# KiCad board AMC_FMC_Carrier-PcbDoc.kicad_pcb (continued)
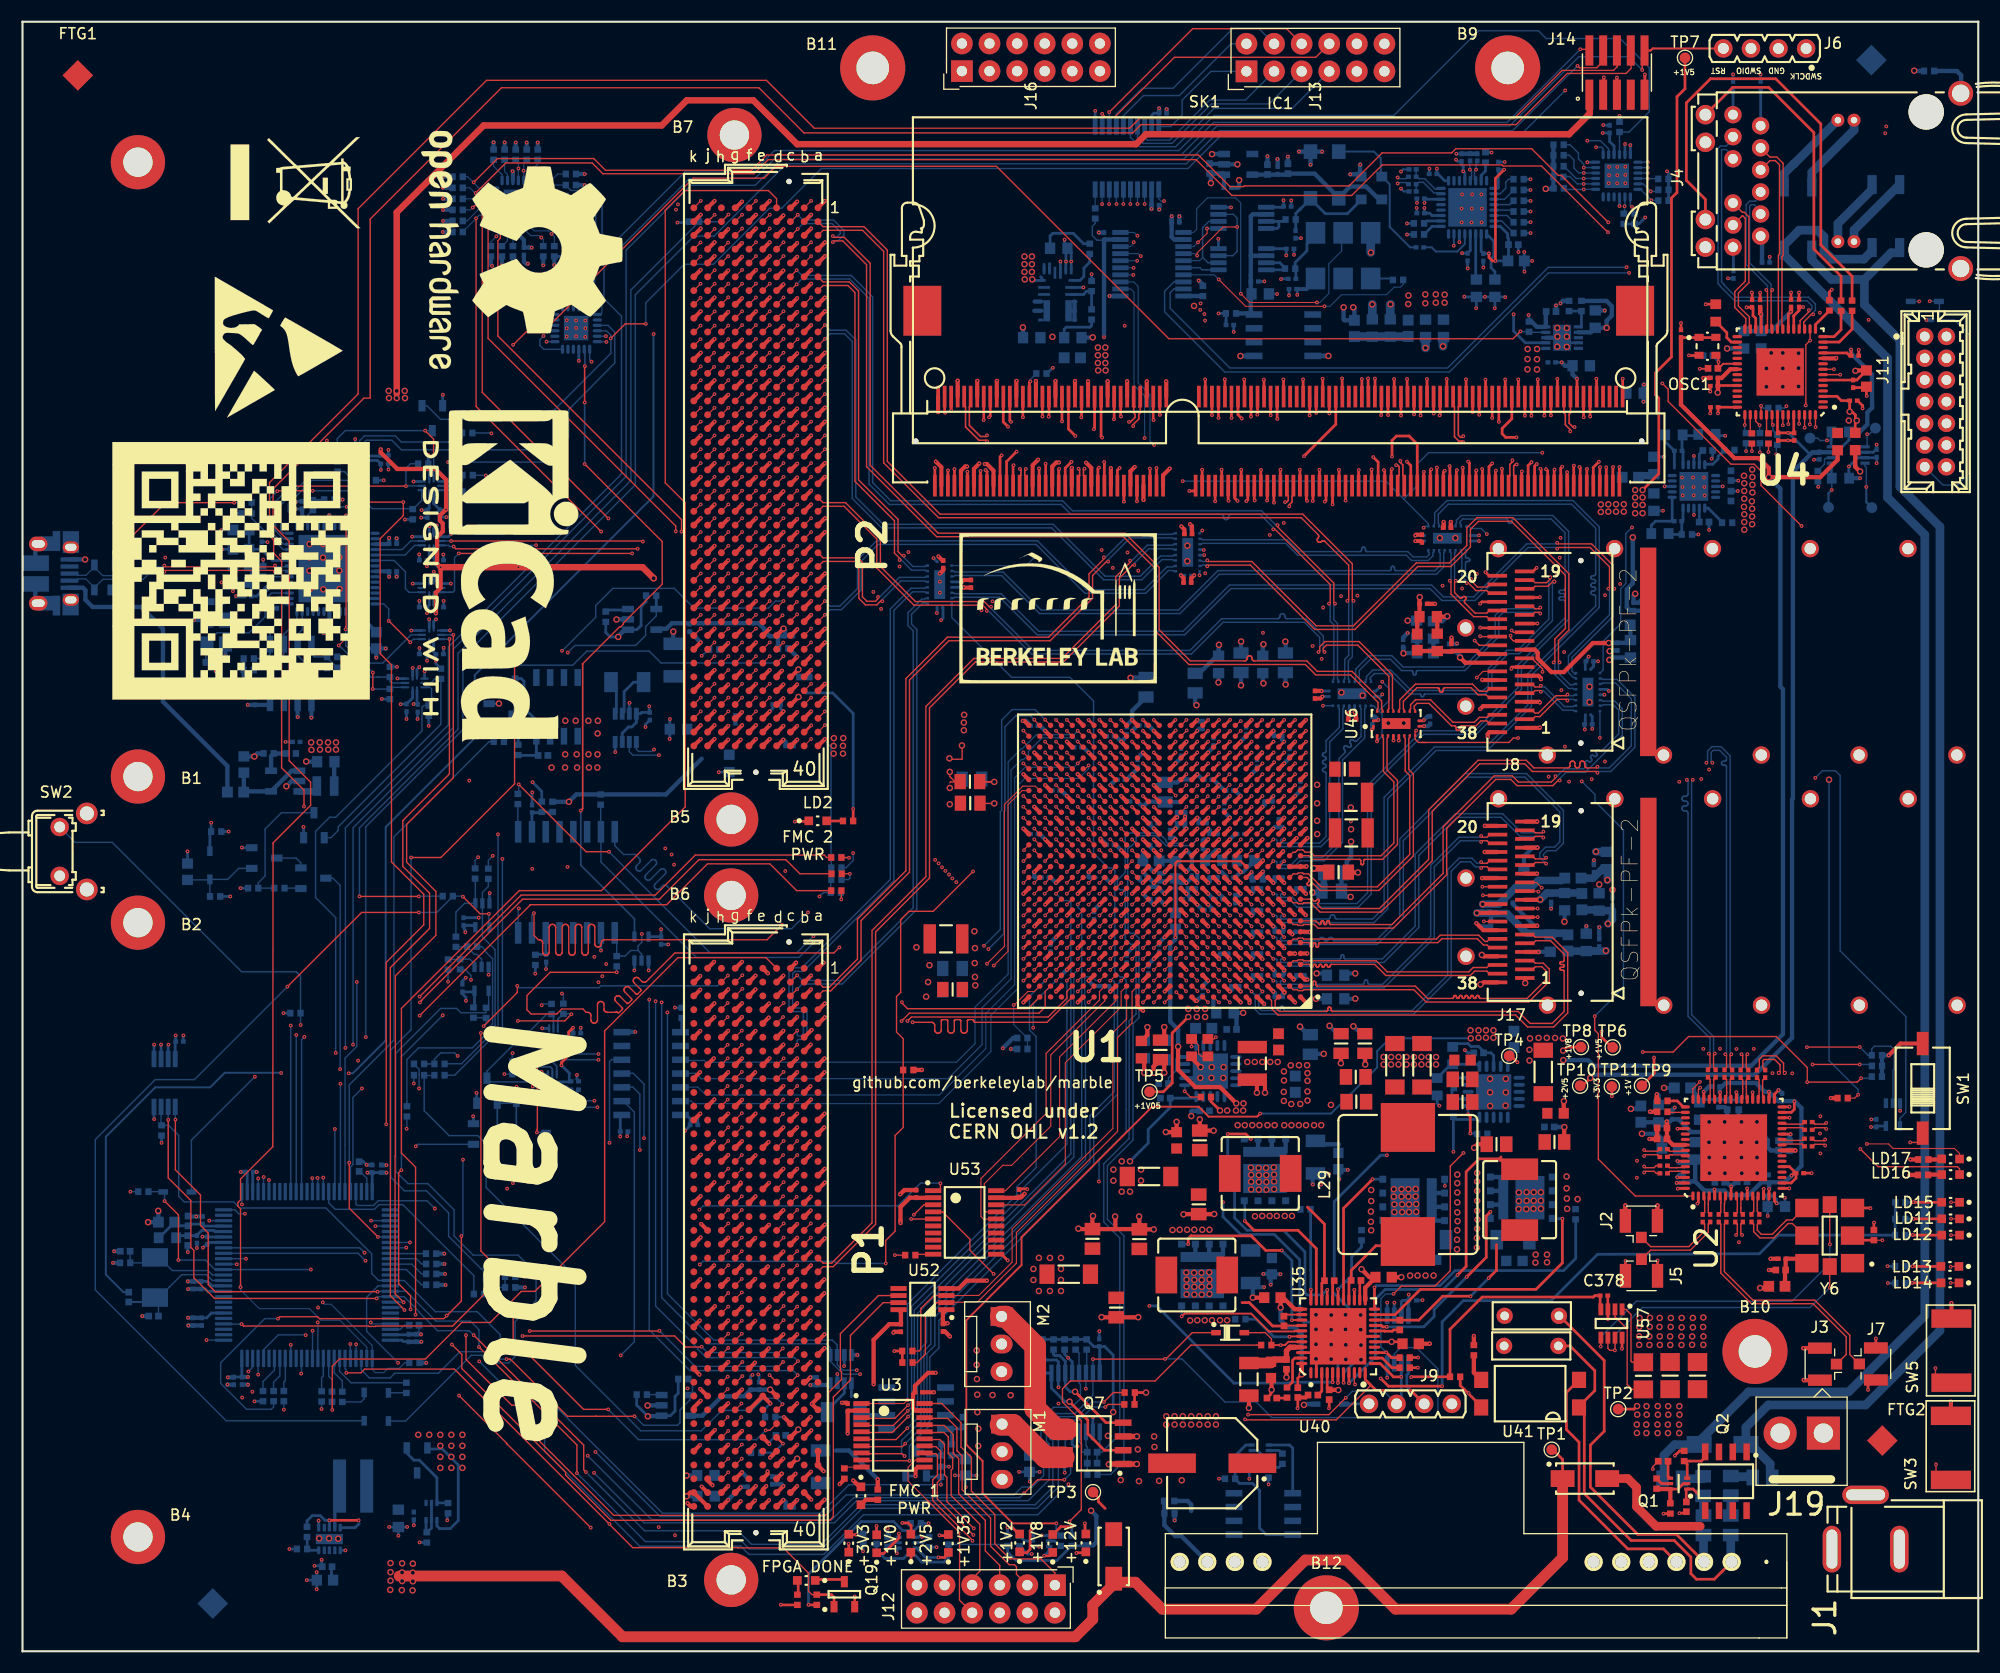
[diagram p0: board, top side]
## Routing (per net, layer and track width the routed paths; a pad name or vN(x,y) marks a point on that pad's centre or on a via; arc(x,y) is an arc through that point) (continued)
/FPGA/DDR3_DQS7_N: length 57.2
  Top w0.15: v1(142.45,112.3) 142.45,112.44 141.99,112.9 141.99,113.87 141.87,113.99 SK1.186
  Top w0.2: U1.W5 v1(114.12,78.73)
  In9.Cu w0.1: v1(142.45,112.3) 142.45,112.48 142.01,112.93 141.4,112.93 140.95,112.48 140.92,112.45 140.91,112.41 140.9,112.38 140.9,112.34 140.91,112.3 140.92,112.26 140.95,112.23 140.96,112.22 140.99,112.19 141,112.15 141.01,112.12 141.01,112.08 141,112.04 140.99,112 140.96,111.97 140.93,111.95 140.89,111.93 140.86,111.92 140.82,111.92 140.78,111.93 140.74,111.95 140.71,111.97 140.7,111.98 140.67,112.01 140.64,112.03 140.6,112.03 140.56,112.03 140.52,112.03 140.48,112.01 140.45,111.98 138.69,110.22 129.38,110.22 128.27,109.11 128.27,107.88 117.78,97.39 117.78,91.94 114.95,89.11 114.95,88.77 113.76,87.57 113.76,82.57 113.76,82.56 113.76,79.09 v1(114.12,78.73)
/FPGA/DDR3_DQS7_P: length 57.2
  Top w0.15: SK1.188 142.47,113.99 142.34,113.87 142.34,113.04 142.7,112.69 v1(142.84,112.69)
  Top w0.2: U1.W6 v1(113.12,78.73)
  In9.Cu w0.1: v1(142.84,112.69) 142.66,112.69 142.13,113.22 141.28,113.22 138.57,110.51 129.26,110.51 127.98,109.23 127.98,108 117.49,97.51 117.49,92.06 114.66,89.23 114.66,88.89 113.47,87.69 113.47,82.45 113.47,82.44 113.47,79.09 v1(113.12,78.73)
/FPGA/DDR3_ODT: length 38.9
  Top w0.254: U1.AB9 v1(110.12,81.73) ; v1(117.94,110.01) 120.87,112.94 SK1.116
  In2.Cu w0.135: v1(110.12,81.73) 110.46,82.07 110.46,88.33 111.02,88.89 111.02,95.34 117.78,102.1 117.78,105.96 117.94,106.13 v1(117.94,110.01)
/FPGA/DDR3_RAS_N: length 38.9
  Top w0.254: 111.64,81.24 v1(112.14,81.74) ; v1(119.07,114) 119.07,114 SK1.110
  In2.Cu w0.135: v1(119.07,114) 119.71,113.36 119.71,111.59 119.7,111.53 119.68,111.48 119.65,111.43 119.61,111.39 119.57,111.36 119.51,111.34 119.4,111.33 119.35,111.31 119.3,111.28 119.26,111.24 119.23,111.19 119.21,111.14 119.21,111.09 119.21,110.99 119.21,110.93 119.23,110.88 119.26,110.83 119.3,110.79 119.35,110.76 119.4,110.74 119.51,110.73 119.57,110.71 119.61,110.68 119.65,110.64 119.68,110.59 119.7,110.54 119.71,110.49 119.71,108.92 119.71,108.92 119.71,108.59 119.51,108.39 119.51,102.17 112.85,95.51 112.85,88.8 111.54,87.49 111.54,82.34 v1(112.14,81.74)
/FPGA/DDR3_RST_N: length 48.5
  Top w0.11: U1.Y12 v1(107.12,79.73)
  Top w0.254: v1(92.76,116.89) 92.67,116.8 SK1.30
  In9.Cu w0.135: v1(92.76,116.89) 95.01,114.65 97.88,114.65 100.59,111.93 100.59,105.07 105.33,100.33 105.33,80.56 105.93,79.96 106.64,79.96 106.87,79.73 v1(107.12,79.73)
  Bottom w0.135: v1(92.76,116.89) 92.76,117.06 93.28,117.58 93.28,117.66
/FPGA/DDR3_WE_N: length 39.1
  Top w0.254: v1(119.86,105.83) 119.97,105.94 SK1.113 ; U1.AF9 v1(110.12,85.73)
  In4.Cu w0.135: v1(119.86,105.83) 119.86,107.96 120.72,108.83 120.72,110.7 121.07,111.04 121.83,111.04 122.09,110.77 122.09,107.41 121.13,106.44 121.13,105.25 113.15,97.27 113.15,90.62 110.12,87.58 v1(110.12,85.73)
/FPGA/DXN_0: length 70.3
  Top w0.102: U1.R11 v1(108.12,74.73)
  Bottom w0.127: v1(108.12,74.73) 107.55,74.16 105.24,74.16 104.32,75.09 102.67,75.09 102.49,74.91 102.49,74.55 102.03,74.1 101.94,74.1 101.71,73.87 101.71,67.95 101.75,67.91 101.75,66.59 101.75,66.64 101.75,66.29 101.94,66.1 102.3,66.1 102.75,65.64 102.75,60.91 102.75,60.91 102.75,58.32 102.21,57.77 102.21,47.06 99.84,44.69 99.84,39.77 101.37,38.24 101.37,17.49 100.15,16.27 R129.1
/FPGA/DXP_0: length 71.4
  Top w0.102: U1.R12 v1(107.12,74.73)
  Bottom w0.127: C188.1 99.15,18.58 U27.9 ; C188.1 C189.1 ; C188.1 99.33,18.33 100.99,19.98 100.99,38.04 99.51,39.51 99.51,44.87 101.85,47.21 101.85,58.03 102.49,58.66 102.49,64.03 102.48,64.04 102.48,64.88 102.27,65.09 101.98,65.09 101.49,65.58 101.49,69.91 101.3,70.1 101.01,70.1 100.76,70.34 100.76,70.96 101.49,71.68 101.49,74.93 101.88,75.33 104.05,75.33 104.06,75.32 104.59,75.32 104.92,74.99 ; v1(107.12,74.73) 106.78,74.39 105.38,74.39 105.25,74.52 105.25,74.66 104.92,74.99 ; 104.92,74.99 104.67,75.23
/FPGA/EXP_INT: length 235.8
  Top w0.127: 83.81,41.09 82.94,41.09 v1(82.03,40.18)
  In7.Cu w0.127: v1(82.03,40.18) 81.86,40.35 78.87,40.35 77.11,38.6 61.96,38.6 61.64,38.92 61.64,115.69 v1(51.97,125.36)
  Bottom w0.127: 51.93,125.43 52.11,125.43 52.65,125.97 52.65,127.85 60.96,136.16 67.23,136.16 69.21,138.14 106.42,138.14 109.65,141.37 126.21,141.37 134.01,149.16 139.52,149.16 140.23,148.45 147.04,148.45 149.72,145.77 149.72,141.71 147.86,139.85 R199.2 146.98,139.84 U34.22 ; 51.93,125.43 51.93,125.3 51.2,124.57 U39.22 ; 51.93,125.43 51.93,125.4 v1(51.97,125.36)
/FPGA/FPGA_12_13/FPGA_MISO_T: length 63.1
  Top w0.102: U1.AC21 v1(97.12,81.73)
  Bottom w0.102: 60.67,51.93 62.15,51.93 62.87,51.21 84.39,51.21 88.66,55.48 88.66,58.7 91.31,61.36 91.31,80.41 92.28,81.38 96.77,81.38 v1(97.12,81.73)
/FPGA/FPGA_12_13/FPGA_MOSI_T: length 64.1
  Top w0.102: U1.AB21 97.81,81.23 v1(98.12,81.54)
  Bottom w0.102: 60.67,50.66 61.55,50.66 61.8,50.41 84.33,50.41 89.13,55.21 89.13,58.54 91.61,61.03 91.61,79.72 92.24,80.34 97.22,80.34 98.12,81.24 v1(98.12,81.54)
/FPGA/FPGA_12_13/FPGA_SCK_T: length 63.3
  Top w0.11: U1.AE21 97.12,84.73 v1(97.12,84.73)
  Bottom w0.11: 61.47,54.38 62.76,54.38 62.92,54.22 85.95,54.22 87.67,55.93 87.67,59.29 90.71,62.33 90.71,81.86 91.94,83.09 92.03,83.09 93.31,84.37 96.76,84.37 v1(97.12,84.73)
  Bottom w0.127: 61.47,54.38 60.76,54.38 60.67,54.47
/FPGA/FPGA_12_13/FPGA_SSEL_T: length 64
  Top w0.11: v1(97.12,83.73) 97.12,83.73 U1.AD21
  Bottom w0.11: 91.28,81.42 90.98,81.12 90.98,61.9 88.31,59.23 88.31,55.85 85.18,52.71 62.46,52.71 61.96,53.2 60.67,53.2 ; 91.28,81.42 91.94,82.08 92.12,82.08 92.58,82.54 92.58,82.82 93.85,84.09 95.29,84.09 95.3,84.08 96.77,84.08 v1(97.12,83.73) ; 91.28,81.42 91.23,81.38
/FPGA/FPGA_14_15/CFG_D02: length 78.4
  Top w0.127: v1(54.68,62.5) 48.56,62.5 46.43,60.37 46.43,59.05 46.81,58.66 49.17,58.66 49.63,59.12 51.58,59.12 51.86,58.82 52.02,58.82 52.08,58.81 52.15,58.79 52.2,58.75 52.25,58.7 52.29,58.65 52.31,58.58 52.32,58.52 52.32,58.12 52.32,58.05 52.35,57.99 52.38,57.93 52.43,57.88 52.49,57.85 52.55,57.82 52.62,57.82 52.68,57.82 52.75,57.85 52.8,57.88 52.85,57.93 52.89,57.99 52.91,58.05 52.92,58.12 52.92,59.52 52.92,59.58 52.95,59.65 52.98,59.7 53.03,59.75 53.09,59.79 53.15,59.81 53.22,59.82 53.28,59.81 53.35,59.79 53.4,59.75 53.45,59.7 53.49,59.65 53.51,59.58 53.52,59.52 53.52,59.12 53.52,59.05 53.55,58.99 53.58,58.93 53.63,58.88 53.69,58.85 53.75,58.82 53.82,58.82 54.58,58.82 54.6,58.83 54.63,58.85 54.66,58.85 54.68,58.85 54.71,58.85 54.74,58.83 54.78,58.8 54.81,58.79 54.83,58.78 54.86,58.78 54.89,58.79 54.91,58.8 54.94,58.82 55.18,59.06 55.2,59.09 55.21,59.11 55.22,59.14 55.22,59.17 55.21,59.19 55.2,59.22 55.18,59.24 54.6,59.82 54.56,59.88 54.53,59.94 54.51,60 54.51,60.07 54.53,60.14 54.56,60.2 54.6,60.25 54.65,60.29 54.71,60.32 54.78,60.33 54.85,60.33 54.91,60.32 54.97,60.29 55.02,60.25 55.61,59.67 55.63,59.65 55.65,59.64 55.68,59.63 55.71,59.63 55.74,59.64 55.76,59.65 55.78,59.67 56.03,59.91 56.05,59.93 56.06,59.96 56.07,59.99 56.07,60.02 56.06,60.04 56.05,60.07 56.03,60.09 55.45,60.67 55.41,60.73 55.38,60.79 55.36,60.85 55.36,60.92 55.38,60.98 55.41,61.04 55.45,61.1 55.5,61.14 55.56,61.17 55.63,61.18 55.69,61.18 55.76,61.17 55.82,61.14 55.87,61.1 56.46,60.51 56.48,60.5 56.5,60.48 56.53,60.48 56.56,60.48 56.59,60.48 56.61,60.5 56.63,60.51 56.88,60.76 56.9,60.78 56.91,60.81 56.92,60.84 56.92,60.86 56.91,60.89 56.9,60.92 56.88,60.94 56.3,61.52 56.25,61.57 56.23,61.63 56.21,61.7 56.21,61.77 56.23,61.83 56.25,61.89 56.3,61.95 56.35,61.99 56.41,62.02 56.48,62.03 56.54,62.03 56.61,62.02 56.67,61.99 56.72,61.95 57,61.66 57.06,61.62 57.12,61.59 57.18,61.58 57.25,61.58 57.31,61.59 57.38,61.62 57.43,61.66 60.04,64.28 74.67,64.28 v1(75.18,64.79) ; U1.B22 96.12,60.73 96.12,60.12 94.39,58.39 81.82,58.39 v1(81.44,58.01)
  In9.Cu w0.127: v1(81.44,58.01) 81.44,58.53 v1(75.18,64.79)
  Bottom w0.127: R209.1 v1(54.68,62.5)
/FPGA/FPGA_14_15/CFG_D03: length 80
  Top w0.127: v1(53.97,73.6) 51.86,73.6 v1(45.67,79.8) ; U1.A22 94.29,57.9 87.68,57.9 87.65,57.9 87.63,57.91 87.6,57.92 87.59,57.94 87.57,57.97 87.56,57.99 87.55,58.05 87.55,58.07 87.53,58.1 87.51,58.12 87.49,58.13 87.46,58.14 87.43,58.14 87.08,58.14 87.05,58.14 87.03,58.13 87,58.12 86.99,58.1 86.97,58.07 86.96,58.05 86.96,58.02 86.96,57.2 86.95,57.13 86.93,57.07 86.89,57.01 86.84,56.96 86.79,56.93 86.72,56.9 86.66,56.9 86.59,56.9 86.53,56.93 86.47,56.96 86.42,57.01 86.39,57.07 86.37,57.13 86.36,57.2 86.36,58.02 86.35,58.05 86.35,58.07 86.33,58.1 86.31,58.12 86.29,58.13 86.26,58.14 86.23,58.14 85.88,58.14 85.85,58.14 85.83,58.13 85.8,58.12 85.79,58.1 85.77,58.07 85.76,58.05 85.76,58.02 85.76,57.2 85.75,57.13 85.73,57.07 85.69,57.01 85.64,56.96 85.59,56.93 85.52,56.9 85.46,56.9 85.39,56.9 85.33,56.93 85.27,56.96 85.22,57.01 85.19,57.07 85.17,57.13 85.16,57.2 85.16,58.02 85.15,58.05 85.15,58.07 85.13,58.1 85.11,58.12 85.09,58.13 85.06,58.14 85.03,58.14 84.68,58.14 84.65,58.14 84.63,58.13 84.6,58.12 84.59,58.1 84.57,58.07 84.56,58.05 84.56,58.02 84.56,57.2 84.55,57.13 84.53,57.07 84.49,57.01 84.44,56.96 84.39,56.93 84.32,56.9 84.26,56.9 84.19,56.9 84.13,56.93 84.07,56.96 84.02,57.01 83.99,57.07 83.97,57.13 83.96,57.2 83.96,57.6 83.95,57.66 83.93,57.73 83.89,57.78 83.84,57.83 83.79,57.87 83.72,57.89 83.66,57.9 v1(81.92,57.9)
  In9.Cu w0.127: v1(72.79,65.83) 73.48,65.17 73.48,64.58 72.74,63.85 70.48,63.85 68.98,62.35 68.98,60.57 69.26,60.29 75.74,60.29 78.36,57.67 80.21,57.67 80.28,57.6 81.63,57.6 v1(81.92,57.9)
  Bottom w0.127: R210.1 45.67,79 v1(45.67,79.8) ; v1(72.79,65.83) 71.24,64.28 63.29,64.28 v1(53.97,73.6)
/FPGA/FPGA_14_15/CFG_DIN: length 80
  Top w0.127: U1.A25 92.54,59.15 81.45,59.15 80.94,59.67 v1(80.94,59.75)
  In9.Cu w0.127: v1(72.29,68.01) 74.5,68.01 74.67,67.83 74.72,67.78 74.74,67.72 74.76,67.66 74.76,67.59 74.74,67.52 74.72,67.46 74.67,67.41 74.38,67.11 74.33,67.06 74.31,67 74.29,66.93 74.29,66.87 74.31,66.8 74.33,66.74 74.38,66.69 74.43,66.65 74.49,66.62 74.56,66.6 74.62,66.6 74.69,66.62 74.75,66.65 74.8,66.69 75.82,67.71 75.87,67.75 75.93,67.78 76,67.79 76.06,67.79 76.13,67.78 76.19,67.75 76.24,67.71 76.28,67.65 76.31,67.59 76.33,67.53 76.33,67.46 76.31,67.4 76.28,67.33 76.24,67.28 75.23,66.26 75.18,66.21 75.15,66.15 75.14,66.09 75.14,66.02 75.15,65.95 75.18,65.89 75.23,65.84 75.28,65.8 75.34,65.77 75.4,65.75 75.47,65.75 75.54,65.77 75.6,65.8 75.65,65.84 76.67,66.86 76.72,66.9 76.78,66.93 76.85,66.94 76.91,66.94 76.98,66.93 77.04,66.9 77.09,66.86 77.13,66.81 77.16,66.74 77.18,66.68 77.18,66.61 77.16,66.55 77.13,66.49 77.09,66.43 76.07,65.42 76.03,65.36 76,65.3 75.99,65.24 75.99,65.17 76,65.1 76.03,65.04 76.07,64.99 76.13,64.95 76.19,64.92 76.25,64.91 76.32,64.91 76.38,64.92 76.45,64.95 76.5,64.99 77.52,66.01 77.57,66.05 77.63,66.08 77.69,66.1 77.76,66.1 77.83,66.08 77.89,66.05 77.94,66.01 77.98,65.96 78.01,65.9 78.03,65.83 78.03,65.76 78.01,65.7 77.98,65.64 77.94,65.58 76.92,64.57 76.88,64.51 76.85,64.45 76.84,64.39 76.84,64.32 76.85,64.26 76.88,64.2 76.92,64.14 76.97,64.1 77.04,64.07 77.1,64.06 77.17,64.06 77.23,64.07 77.29,64.1 77.35,64.14 78.36,65.16 78.42,65.2 78.48,65.23 78.54,65.25 78.61,65.25 78.68,65.23 78.74,65.2 78.79,65.16 78.83,65.11 78.86,65.05 78.87,64.98 78.87,64.92 78.86,64.85 78.83,64.79 78.79,64.74 77.77,63.72 77.73,63.67 77.7,63.61 77.68,63.54 77.68,63.47 77.7,63.41 77.73,63.35 77.77,63.29 77.82,63.25 77.88,63.22 77.95,63.21 78.02,63.21 78.08,63.22 78.14,63.25 78.19,63.29 79.21,64.31 79.27,64.35 79.33,64.38 79.39,64.4 79.46,64.4 79.52,64.38 79.58,64.35 79.64,64.31 79.68,64.26 79.71,64.2 79.72,64.13 79.72,64.07 79.71,64 79.68,63.94 79.64,63.89 78.62,62.87 78.58,62.82 78.55,62.76 78.53,62.69 78.53,62.62 78.55,62.56 78.58,62.5 78.62,62.45 78.67,62.4 78.73,62.37 78.8,62.36 78.86,62.36 78.93,62.37 78.99,62.4 79.04,62.45 80.06,63.46 80.11,63.51 80.17,63.53 80.24,63.55 80.31,63.55 80.37,63.53 80.43,63.51 80.49,63.46 80.53,63.41 80.56,63.35 80.57,63.29 80.57,63.22 80.56,63.15 80.53,63.09 80.49,63.04 79.47,62.02 79.43,61.97 79.4,61.91 79.38,61.84 79.38,61.78 79.4,61.71 79.43,61.65 79.47,61.6 79.52,61.56 79.58,61.53 79.65,61.51 79.71,61.51 79.78,61.53 79.84,61.56 79.89,61.6 80.19,61.89 80.24,61.94 80.3,61.97 80.37,61.98 80.43,61.98 80.5,61.97 80.56,61.94 80.61,61.89 80.94,61.57 v1(80.94,59.75)
  Bottom w0.127: v1(72.29,68.01) 70.79,66.51 63.24,66.51 59.31,70.44 59.26,70.49 59.2,70.52 59.13,70.53 59.07,70.53 59,70.52 58.94,70.49 58.89,70.44 58.66,70.21 58.6,70.17 58.54,70.14 58.48,70.13 58.41,70.13 58.35,70.14 58.28,70.17 58.23,70.21 58.19,70.27 58.16,70.33 58.15,70.39 58.15,70.46 58.16,70.52 58.19,70.58 58.23,70.64 59.12,71.52 59.16,71.58 59.19,71.64 59.2,71.7 59.2,71.77 59.19,71.84 59.16,71.9 59.12,71.95 59.07,71.99 59.01,72.02 58.94,72.03 58.87,72.03 58.81,72.02 58.75,71.99 58.69,71.95 57.81,71.06 57.76,71.02 57.69,70.99 57.63,70.98 57.56,70.98 57.5,70.99 57.44,71.02 57.38,71.06 57.34,71.11 57.31,71.17 57.3,71.24 57.3,71.31 57.31,71.37 57.34,71.43 57.38,71.49 58.27,72.37 58.31,72.43 58.34,72.49 58.36,72.55 58.36,72.62 58.34,72.68 58.31,72.74 58.27,72.8 58.22,72.84 58.16,72.87 58.09,72.88 58.02,72.88 57.96,72.87 57.9,72.84 57.85,72.8 56.96,71.91 56.91,71.87 56.85,71.84 56.78,71.82 56.71,71.82 56.65,71.84 56.59,71.87 56.53,71.91 56.49,71.96 56.46,72.02 56.45,72.09 56.45,72.16 56.46,72.22 56.49,72.28 56.53,72.33 56.77,72.57 56.81,72.62 56.84,72.68 56.85,72.74 56.85,72.81 56.84,72.88 56.81,72.94 56.77,72.99 56.41,73.35 55.32,73.35 54.51,74.16 U30.8
/FPGA/FPGA_14_15/CFG_FCS: length 82.4
  Top w0.102: U1.C23 v1(95.12,61.73)
  In9.Cu w0.127: v1(72.79,65.19) 71.98,64.38 68.93,64.38 68.45,64.86 63.42,64.86 62.02,63.47 62.02,60.09 63.27,58.84 75.89,58.84 77.51,57.22 92.84,57.22 v1(93.02,57.4)
  Bottom w0.127: R223.2 53.21,75.46 U30.7 53.24,72.66 62.02,63.87 71.47,63.87 v1(72.79,65.19) ; v1(93.02,57.4) 93.02,59.63 v1(95.12,61.73)
/FPGA/FPGA_14_15/CFG_MOSI: length 80
  Top w0.102: U1.B24 94.12,60.73
  Top w0.127: v1(47.07,67.94) 47.07,65.89 47.47,65.5 47.57,65.5 47.64,65.49 47.7,65.47 47.76,65.43 47.81,65.38 47.84,65.33 47.86,65.26 47.87,65.2 47.87,64.37 47.88,64.31 47.9,64.24 47.94,64.19 47.98,64.14 48.04,64.1 48.1,64.08 48.17,64.07 48.24,64.08 48.3,64.1 48.36,64.14 48.41,64.19 48.44,64.24 48.46,64.31 48.47,64.37 48.47,66.62 48.48,66.69 48.5,66.75 48.54,66.81 48.58,66.85 48.64,66.89 48.7,66.91 48.77,66.92 48.84,66.91 48.9,66.89 48.96,66.85 49.01,66.81 49.04,66.75 49.06,66.69 49.07,66.62 49.07,64.37 49.08,64.31 49.1,64.24 49.14,64.19 49.18,64.14 49.24,64.1 49.3,64.08 49.37,64.07 49.44,64.08 49.5,64.1 49.56,64.14 49.61,64.19 49.64,64.24 49.66,64.31 49.67,64.37 49.67,66.62 49.68,66.69 49.7,66.75 49.74,66.81 49.78,66.85 49.84,66.89 49.9,66.91 49.97,66.92 50.04,66.91 50.1,66.89 50.16,66.85 50.21,66.81 50.24,66.75 50.26,66.69 50.27,66.62 50.27,64.37 50.28,64.31 50.3,64.24 50.34,64.19 50.38,64.14 50.44,64.1 50.5,64.08 50.57,64.07 50.64,64.08 50.7,64.1 50.76,64.14 50.81,64.19 50.84,64.24 50.86,64.31 50.87,64.37 50.87,66.62 50.88,66.69 50.9,66.75 50.94,66.81 50.98,66.85 51.04,66.89 51.1,66.91 51.17,66.92 51.24,66.91 51.3,66.89 51.36,66.85 51.41,66.81 51.44,66.75 51.46,66.69 51.47,66.62 51.47,64.37 51.48,64.31 51.5,64.24 51.54,64.19 51.58,64.14 51.64,64.1 51.7,64.08 51.77,64.07 51.84,64.08 51.9,64.1 51.96,64.14 52.01,64.19 52.04,64.24 52.06,64.31 52.07,64.37 52.07,66.62 52.08,66.69 52.1,66.75 52.14,66.81 52.18,66.85 52.24,66.89 52.3,66.91 52.37,66.92 52.44,66.91 52.5,66.89 52.56,66.85 52.61,66.81 52.64,66.75 52.66,66.69 52.67,66.62 52.67,65.12 52.68,65.06 52.7,64.99 52.74,64.94 52.78,64.89 52.84,64.85 52.9,64.83 52.97,64.82 53.04,64.83 53.1,64.85 53.16,64.89 53.21,64.94 53.24,64.99 53.26,65.06 53.27,65.12 53.27,65.2 53.28,65.26 53.3,65.33 53.34,65.38 53.38,65.43 53.44,65.47 53.5,65.49 53.57,65.5 68.53,65.5 v1(69.9,66.87) ; v1(80.9,58.01) 81.63,58.74 93.55,58.74 94.12,59.31 94.12,60.73
  In9.Cu w0.127: v1(69.9,66.87) 72.61,66.87 74.56,64.91 74.56,64.17 79.72,59.01 79.9,59.01 v1(80.9,58.01)
  Bottom w0.127: v1(47.07,67.94) 46.89,67.76 U30.15
/FPGA/FPGA_14_15/CFG_PUDC: length 7.7
  Top w0.102: U1.B25 93.12,60.73 92.52,60.73 91.29,59.49 v1(91.23,59.49)
  Bottom w0.102: v1(91.23,59.49) 91.22,59.48 91.22,57.7 92.47,56.46 R221.2 R222.1
/FPGA/FPGA_14_15/CFG_WP: length 200.6
  Top w0.127: v1(173.73,46.84) 174.89,46.84 SW1.1
  In2.Cu w0.127: v1(58.55,11.43) 58.54,11.44 58.54,23.54 57.91,24.18 57.91,55.04 56.82,56.13 56.82,65.86 v1(56.99,66.03)
  In4.Cu w0.127: v1(58.55,11.43) 77.85,11.43 79.04,10.24 79.98,11.18 83.13,11.18 84.5,9.8 87.56,9.8 87.73,9.97 96.47,9.97 98.12,11.61 98.12,11.7 103.43,17.01 103.43,22.05 106.4,25.01 113.79,25.01 114.84,26.06 118.71,26.06 119.17,25.6 142.16,25.6 148.3,31.74 159.45,31.74 165.95,38.24 165.95,38.69 166.18,38.91 166.63,38.91 173.73,46.02 v1(173.73,46.84)
  Bottom w0.127: 56.65,64.51 55.98,64.51 55.47,64 55.13,64 55.12,63.99 R209.2 54.68,65.95 U30.9 ; 56.65,64.51 56.97,64.19 U11.2 ; 56.65,64.51 56.65,64.92 56.99,65.27 v1(56.99,66.03)
/FPGA/FPGA_14_15/EXP_INT_T: length 22.9
  Top w0.102: 89.61,42.39 90.46,42.39 95.45,47.37 95.45,54.71 100.62,59.88 U1.A18
  Top w0.11: 100.64,60.21 100.62,60.21
/FPGA/FPGA_14_15/FPGA_INT_T: length 26.6
  Top w0.102: U1.B17 101.11,60.72 101.11,59.31 95.97,54.17 95.97,44.83 92.22,41.09 89.61,41.09
/FPGA/FPGA_14_15/FPGA_XR_GPIO_0_T: length 25.9
  Top w0.102: 89.61,40.44 88.67,40.44 88.52,40.59 88.52,43.03 90.22,44.73 91.03,44.73 94.64,48.34 94.64,54.89 99.62,59.88 U1.A19
  Top w0.11: 99.65,60.22 99.62,60.22
/FPGA/FPGA_14_15/I2C_FPGA_SW_RST_T: length 27.4
  Top w0.11: U1.B19 99.12,60.73 99.12,59.95 94.21,55.03 94.21,49.51 88.21,43.51 88.21,40.02 88.45,39.79 89.61,39.79
/FPGA/FPGA_14_15/I2C_SCL: length 45.6
  Top w0.11: U1.B16 102.12,60.73 102.12,57.83 100.78,56.49 100.78,47.86 91.48,38.55 91.48,35.73 87.88,32.13 85.06,32.13 U52.2
  Top w0.127: R1.2 82.33,26.58 83.1,27.34 83.1,31.04 84.15,32.09 U52.2
/FPGA/FPGA_14_15/I2C_SDA: length 43.5
  Top w0.102: U1.A17 101.62,58.2 100.35,56.94 100.35,48.14 91.08,38.87 91.08,35.83 88.01,32.76 86.74,32.76 86.73,32.74 U52.3
  Top w0.127: U52.3 83.87,32.74 82.67,31.55 82.67,27.81 82.51,27.64 R2.2
/FPGA/FPGA_33_34/CLK20_VCXO_T: length 52.4
  Top w0.102: v1(108.09,78.69) 107.62,78.23 U1.W11
  In9.Cu w0.102: v1(102.23,126.7) 102.23,121.38 103.8,119.8 103.8,116.74 103.63,116.57 103.63,110.14 105.6,108.17 105.6,96.27 106.47,95.39 106.47,80.71 106.85,80.33 107,80.33 107.48,79.86 107.48,79.31 v1(108.09,78.69)
  Bottom w0.102: 101.12,126.7 102.23,126.7 v1(102.23,126.7)
/FPGA/FPGA_33_34/DDR_REF_CLK_C_N: length 67.2
  Top w0.127: U1.AD9 109.62,83.23
  Top w0.13: 109.62,83.23 v1(110.12,83.73)
  In7.Cu w0.1: v1(126.57,135.11) 126.44,135.24 120.75,135.24 108.77,123.27 v1(108.77,123.09)
  In9.Cu w0.1: v1(110.12,83.73) 110.12,83.44 110.05,83.37 109.99,83.37 109.74,83.62 109.74,87.93 109.13,88.54 109.13,93.83 109.82,94.52 109.82,103.43 109.11,104.14 109.11,108.11 109.57,108.57 109.57,109.85 107.89,111.53 107.89,122.38 108.6,123.09 v1(108.77,123.09)
  Bottom w0.13: v1(126.57,135.11) 126.65,135.19 127.33,135.19 127.48,135.04 C410.1
/FPGA/FPGA_33_34/DDR_REF_CLK_C_P: length 68.2
  Top w0.127: U1.AC9 109.63,82.23
  Top w0.13: 109.63,82.23 v1(110.12,82.72)
  In7.Cu w0.1: v1(126.57,135.66) 126.44,135.53 120.63,135.53 108.57,123.47 v1(108.39,123.47)
  In9.Cu w0.1: v1(110.12,82.72) 110.12,83.01 110.05,83.08 109.87,83.08 109.45,83.5 109.45,87.81 108.84,88.42 108.84,93.95 109.53,94.64 109.53,103.31 108.82,104.02 108.82,108.23 109.28,108.69 109.28,109.73 107.6,111.41 107.6,122.5 108.39,123.3 v1(108.39,123.47)
  Bottom w0.13: v1(126.57,135.66) 126.68,135.55 127.3,135.55 127.48,135.73 C379.1
/FPGA/FPGA_33_34/VCXO_EN_T: length 58.5
  Top w0.11: 109.61,77.23 v1(110.11,77.73)
  In9.Cu w0.102: v1(102.61,130.31) 104.05,128.87 104.05,122.61 106.75,119.9 106.75,111.08 108.05,109.79 108.05,99.89 107.46,99.3 107.46,98.01 108.18,97.3 108.18,88.23 108.78,87.62 108.78,83.13 108.79,83.12 108.79,81.54 109.75,80.58 109.75,78.09 v1(110.11,77.73)
  Bottom w0.102: 101.12,130.6 102.32,130.6 v1(102.61,130.31)
/FPGA/FPGA_33_34/WR_DAC1_SYNC_T: length 56.9
  Top w0.102: U1.W10 v1(109.09,78.7)
  In9.Cu w0.102: v1(109.09,78.7) 109.45,79.06 109.45,79.92 108.66,80.71 108.66,81.24 108.46,81.45 108.46,84.78 108.5,84.82 108.5,87.3 107.87,87.94 107.87,96.89 107.19,97.58 107.19,99.52 107.66,100 107.66,103.45 107.84,103.63 107.84,103.97 107.72,104.1 107.72,107.08 ; 107.72,107.08 107.72,109.48 106.32,110.87 106.32,119.83 103.72,122.43 103.72,128.26 v1(102.27,129.71) ; 107.72,107.08 107.72,107.19
  Bottom w0.102: 101.12,129.3 101.97,129.3 102.27,129.6 v1(102.27,129.71)
/FPGA/FPGA_33_34/WR_DAC2_SYNC_T: length 52.1
  Top w0.11: 107.64,79.2 v1(108.14,79.7)
  In9.Cu w0.102: v1(108.14,79.7) 107.49,80.35 107.49,80.87 106.75,81.61 106.75,95.77 105.99,96.54 105.99,106.86 ; 105.99,106.86 105.99,109.38 105.23,110.14 105.23,115.81 104.93,116.12 104.93,119.47 102.64,121.76 102.64,126.97 v1(102.26,127.35) ; 105.99,106.86 105.99,106.99
  Bottom w0.102: 101.12,127.35 102.25,127.35 v1(102.26,127.35)
/FPGA/FPGA_33_34/WR_DAC_DIN_T: length 54.3
  Top w0.11: 108.6,79.21 v1(109.1,79.71)
  In9.Cu w0.102: v1(102.92,128.43) 103.29,128.06 103.29,122.19 105.94,119.54 105.94,110.52 106.99,109.46 106.99,107.98 107.11,107.87 107.11,107.53 106.99,107.42 106.99,103.02 106.64,102.67 106.64,99.51 106.94,99.21 106.94,97.24 107.6,96.58 107.6,86.8 107.79,86.61 107.79,81.57 107.96,81.4 108.07,81.4 108.46,81.02 108.46,80.36 v1(109.1,79.71)
  Bottom w0.102: 101.12,128.65 102.69,128.65 v1(102.92,128.43)
/FPGA/FPGA_33_34/WR_DAC_SCLK_T: length 55.1
  Top w0.102: U1.V11 107.62,77.24 v1(108.11,77.73)
  In9.Cu w0.102: v1(108.11,77.73) 108.58,78.2 108.58,79.75 107.79,80.53 107.79,81.1 107.49,81.4 107.49,86.27 107.21,86.55 107.21,96.13 106.28,97.06 106.28,109.55 105.6,110.24 105.6,119.29 102.97,121.92 102.97,127.61 v1(102.59,127.99)
  Bottom w0.102: 101.12,128 102.58,128 v1(102.59,127.99)
/FPGA/FPGA_DONE: length 189.8
  Top w0.102: U1.J7 v1(112.12,67.73)
  Top w0.127: R162.2 72.66,5.21 72.34,5.54 72.34,7.2 70.03,9.52 65.86,9.52 65.83,9.54 56.16,9.54 54.01,11.69 54.01,11.71 39.75,25.97 31.49,25.97 31.15,25.63 v1(29.8,25.63)
  Top w0.254: R162.2 74.44,5.21 74.69,4.97 Q19.1
  In2.Cu w0.102: v1(105.12,63.74) 105.12,63.74 105.78,64.4 105.78,66.69 106.48,67.4 111.54,67.4 111.87,67.73 v1(112.12,67.73)
  In2.Cu w0.127: v1(54.02,11.73) 54.02,18.84 49.99,22.87 49.99,72.03 v1(50.16,72.2)
  In9.Cu w0.102: v1(50.16,72.2) 50.8,72.84 67.03,72.84 ; 80.87,67.43 80.88,67.41 90.29,67.41 90.33,67.38 102.96,67.38 103.77,66.57 103.77,65.57 104.25,65.08 104.29,65.08 104.77,64.61 104.77,64.09 v1(105.12,63.74)
  In9.Cu w0.127: 67.03,72.84 67.38,72.84 71.35,68.87 77.93,68.87 79.37,67.43 80.87,67.43
  Bottom w0.127: v1(29.8,25.63) 29.8,25.91 29.69,26.03 29.69,26.96 U54.81
/FPGA/FPGA_INT: length 68
  Top w0.127: 83.81,42.39 84.41,42.39 84.48,42.46 v1(84.48,43.07)
  In4.Cu w0.127: v1(62.3,40.66) 61.44,40.66 60.96,41.14 v1(20.19,41.14)
  Bottom w0.127: v1(20.19,41.14) 20.18,41.14 20.18,42.31 ; 84.5,43.09 82.65,43.09 80.55,41 62.64,41 v1(62.3,40.66)
/FPGA/FPGA_MGT/GBX_MUX/MGT_MUX_PD: length 225
  Top w0.102: v1(168.94,51.22) 168.63,50.92 R300.1
  Top w0.254: v1(124.66,83.76) 124.67,83.77 124.67,84.3
  In2.Cu w0.127: v1(148.13,103.44) 148.48,103.44 149.98,104.95 149.98,108.25 145.95,112.28 145.95,113.4 144.8,114.54 143.08,114.54 139.87,111.34 v1(139.87,110.33) ; v1(128.95,103.42) 128.95,99.38 128.01,98.44 128.01,96.18 128.19,96 128.19,92.05 125.39,89.25 v1(125.14,89.25)
  In4.Cu w0.102: v1(108.58,103.17) 107.79,103.95 107.79,105.73 106.78,106.75 106.78,112.59 104.06,115.31 84,115.31 83.64,114.95 83.64,113.33 84.76,112.21 86.59,112.21 89.46,109.34 89.46,107.6 93.16,103.89 v1(93.16,100.73)
  In4.Cu w0.127: v2(166.27,80.23) 166.27,85.56 148.38,103.44 v1(148.13,103.44)
  Bottom w0.102: v1(93.16,100.73) 92.37,99.94 85.53,99.94
  Bottom w0.127: v1(148.13,103.44) 147.56,102.88 147.56,98.28 147.09,97.81 147.09,94.58 145.47,92.97 145.47,90.33 145.18,90.04 ; 127.12,106.06 129.39,103.8 U50.2 129.09,103.55 v1(128.95,103.42) ; 127.12,106.06 125.47,107.71 v1(106.78,107.71) ; 127.12,106.06 128.39,107.33 128.39,109.31 129.41,110.33 v1(139.87,110.33) ; 124.83,86.57 124.35,87.04 U48.2 ; 124.83,86.57 125.8,87.54 125.8,88.59 v1(125.14,89.25) ; 124.83,86.57 125.13,86.26 125.13,84.23 v1(124.66,83.76) ; v2(166.27,80.23) 166.27,54.37 168.94,51.7 v1(168.94,51.22) ; 108.33,102.9 108.33,102.91 v1(108.58,103.17)
/FPGA/FPGA_MGT/GBX_MUX/MGT_RX_6_FMC_N: length 50.1
  Bottom w0.13: 85.53,98.94 85.7,98.94 85.78,99.02 90.1,99.02 93.6,95.52 106.53,95.52 110.15,99.14 130.14,99.14 130.8,99.8 130.8,101.1 130.89,101.18 U50.16
/FPGA/FPGA_MGT/GBX_MUX/MGT_RX_6_FMC_P: length 50.1
  Bottom w0.13: 85.53,99.44 85.7,99.44 85.78,99.35 90.24,99.35 93.74,95.85 106.39,95.85 110.01,99.47 125.82,99.47 125.85,99.47 125.88,99.48 125.91,99.5 125.93,99.53 125.95,99.55 125.96,99.59 125.97,99.62 125.97,99.72 125.97,99.76 125.98,99.79 126,99.82 126.02,99.84 126.05,99.86 126.08,99.87 126.12,99.87 126.15,99.87 126.18,99.86 126.21,99.84 126.23,99.82 126.25,99.79 126.26,99.76 126.27,99.72 126.27,99.62 126.27,99.59 126.28,99.55 126.3,99.53 126.32,99.5 126.35,99.48 126.38,99.47 126.42,99.47 130,99.47 130.47,99.94 130.47,101.1 130.39,101.18 U50.17